# Altium PCB NUCLEOG431RB-Custom-IN-A2212.PcbDoc (part 5 of 5)
Units mm, origin at the board's own origin, x right, y up, seen from the top; angles counter-clockwise.
Board outline 170 x 108 mm, 4 copper layers (Top Layer, POWER1, POWER2, Bottom Layer), stack 1.746 mm thick; 529 components, 254 nets, 1242 pads, 583 vias.
Unrouted connection lines stored in the file: 26.
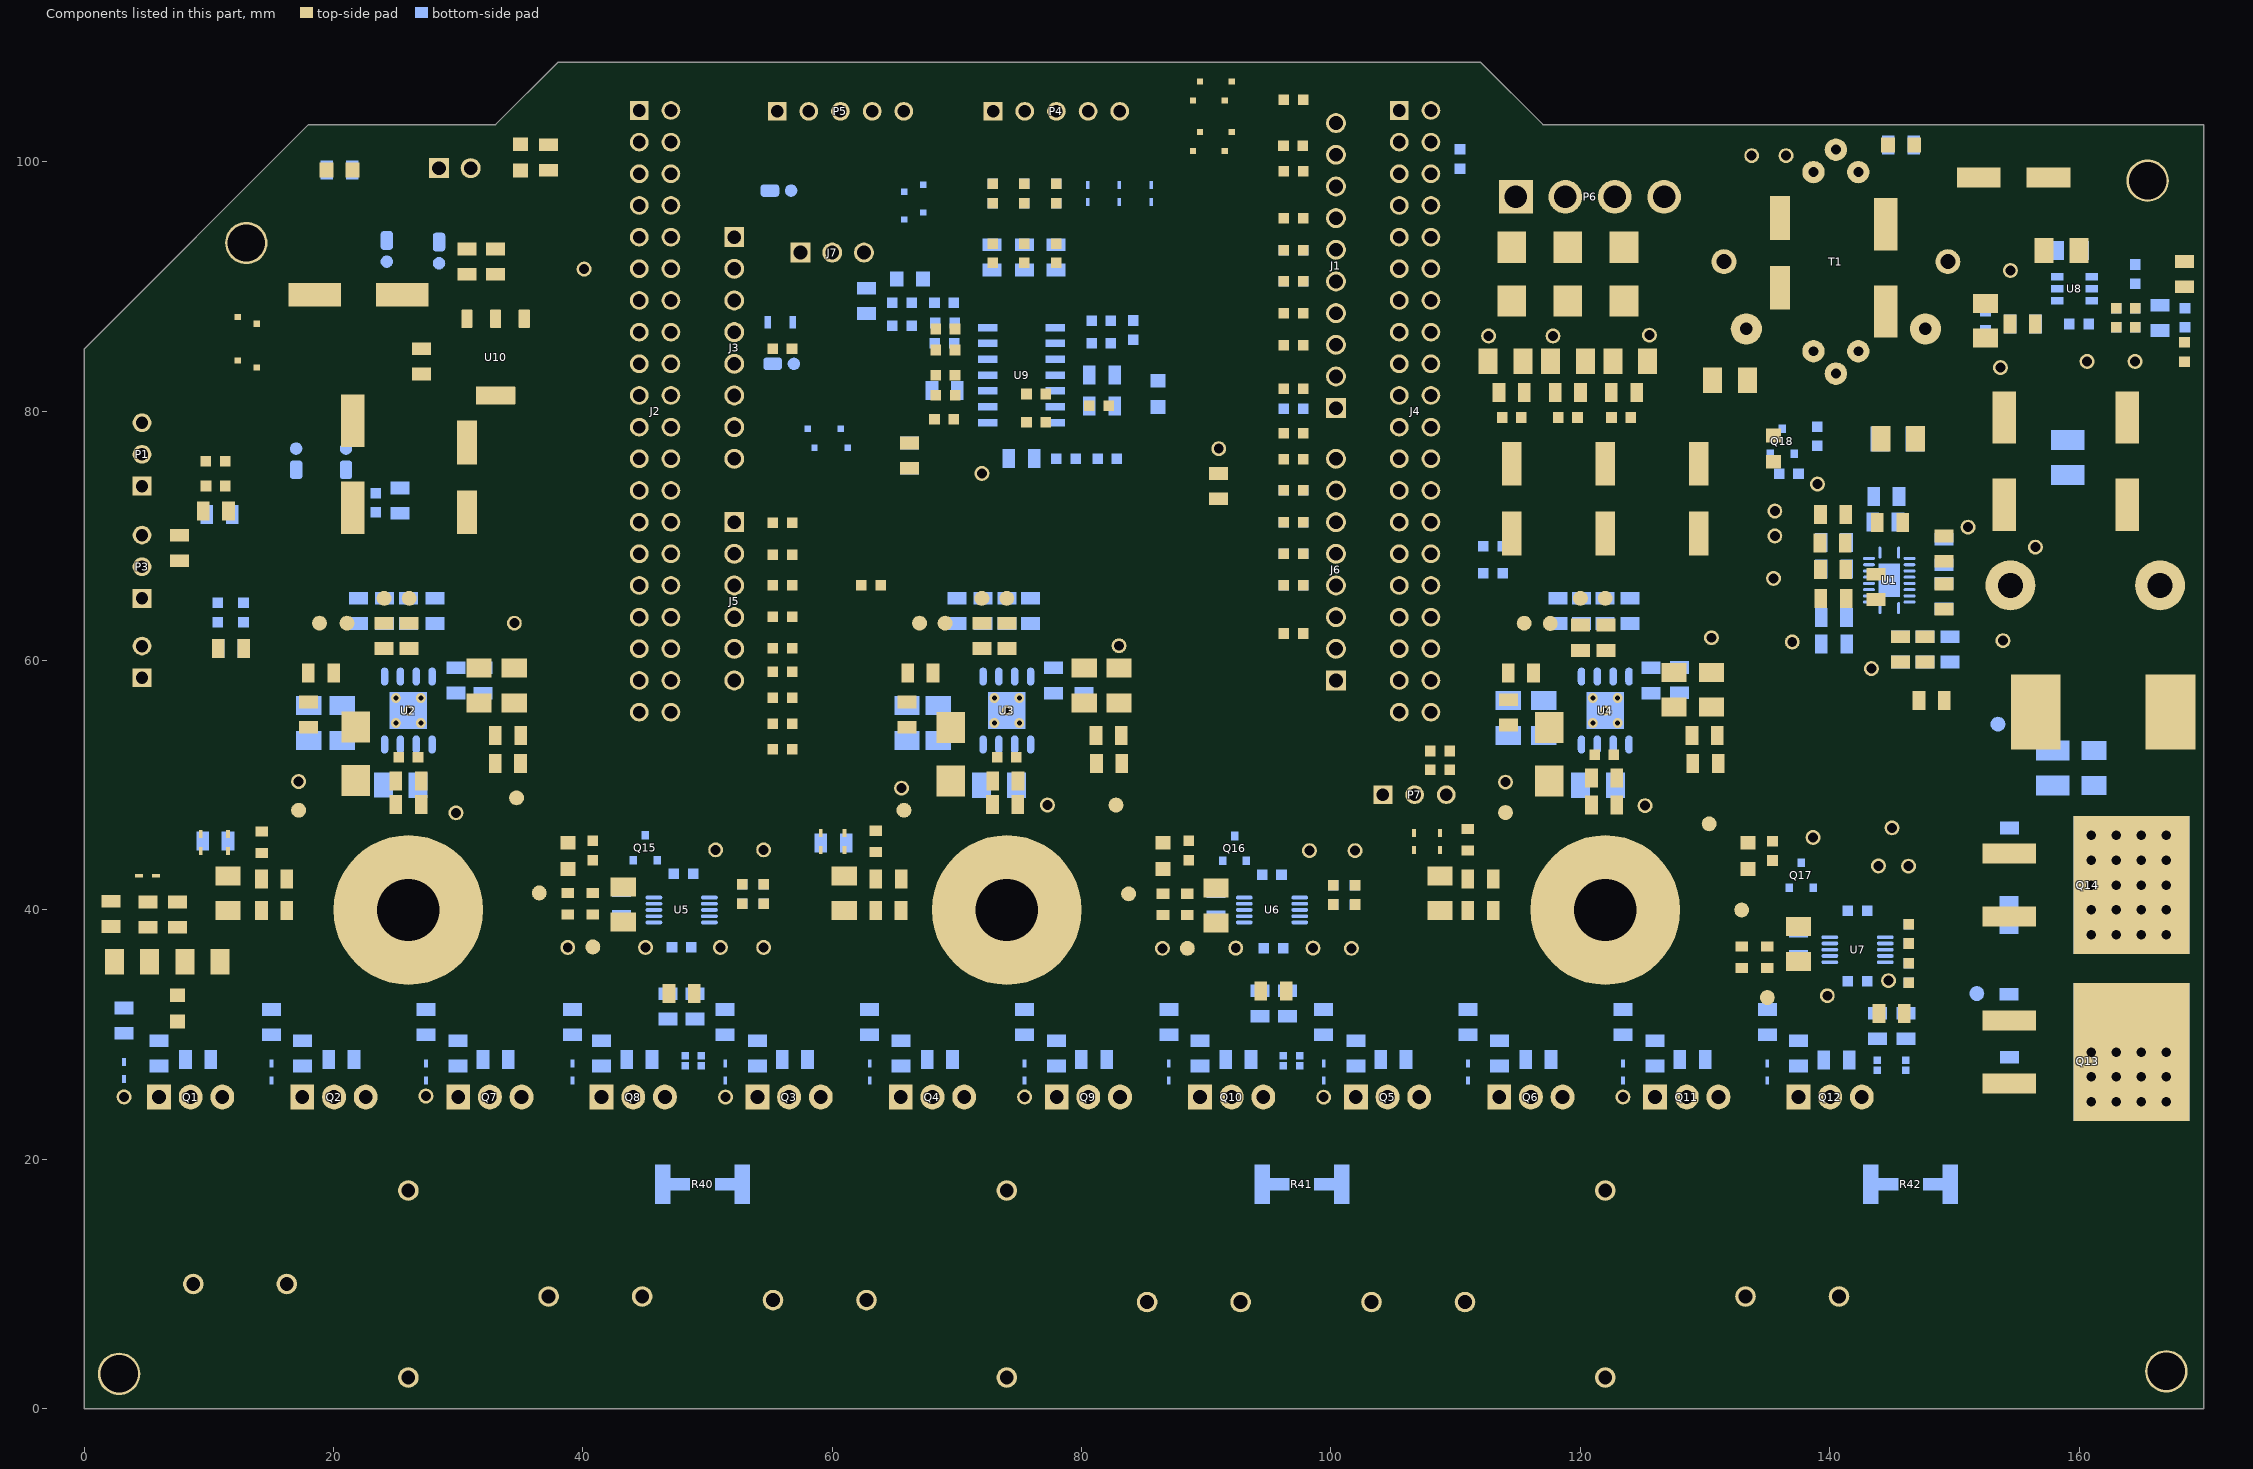
[diagram p7: the components of this part, seen from the top]

## Silkscreen, mask and mechanical layers (free items; w line width, h text height) (continued)
Drill Drawing:
  drawing of 162 lines, arcs and shapes, not listed
  text "Symbol" at -2.774,205.54 h1.83
  text "Count" at 10.075,205.54 h1.83
  text "Hole Size" at 25.311,205.54 h1.83
  text "Plated" at 54.512,205.54 h1.83
  text "Hole Type" at 67.361,205.54 h1.83
  text "Drill Layer Pair" at 86,205.54 h1.83
  text "Via/Pad" at 124.089,205.54 h1.83
  text "Pad Shape" at 139.071,205.54 h1.83
  text "Template" at 158.014,205.54 h1.83
  text "2" at 10.075,201.73 h1.52
  text "16.00mil (0.406mm)" at 25.311,201.73 h1.52
  text "PTH" at 54.512,201.73 h1.52
  text "Round" at 67.361,201.73 h1.52
  text "Top Layer - Bottom Layer" at 86,201.73 h1.52
  text "Via" at 124.089,201.73 h1.52
  text "Rounded" at 139.071,201.73 h1.52
  text "v76h41" at 158.014,201.73 h1.52
  text "2" at 10.075,197.92 h1.52
  text "19.69mil (0.500mm)" at 25.311,197.92 h1.52
  text "PTH" at 54.512,197.92 h1.52
  text "Round" at 67.361,197.92 h1.52
  text "Top Layer - Bottom Layer" at 86,197.92 h1.52
  text "Via" at 124.089,197.92 h1.52
  text "Rounded" at 139.071,197.92 h1.52
  text "v100h50" at 158.014,197.92 h1.52
  text "2" at 10.075,194.11 h1.52
  text "47.24mil (1.200mm)" at 25.311,194.11 h1.52
  text "PTH" at 54.512,194.11 h1.52
  text "Round" at 67.361,194.11 h1.52
  text "Top Layer - Bottom Layer" at 86,194.11 h1.52
  text "Pad" at 124.089,194.11 h1.52
  text "Rounded" at 139.071,194.11 h1.52
  text "c200h120" at 158.014,194.11 h1.52
  text "2" at 10.075,190.3 h1.52
  text "78.74mil (2.000mm)" at 25.311,190.3 h1.52
  text "PTH" at 54.512,190.3 h1.52
  text "Round" at 67.361,190.3 h1.52
  text "Top Layer - Bottom Layer" at 86,190.3 h1.52
  text "Pad" at 124.089,190.3 h1.52
  text "Rounded" at 139.071,190.3 h1.52
  text "(Mixed)" at 158.014,190.3 h1.52
  text "3" at 10.075,186.49 h1.52
  text "196.85mil (5.000mm)" at 25.311,186.49 h1.52
  text "PTH" at 54.512,186.49 h1.52
  text "Round" at 67.361,186.49 h1.52
  text "Top Layer - Bottom Layer" at 86,186.49 h1.52
  text "Pad" at 124.089,186.49 h1.52
  text "Rounded" at 139.071,186.49 h1.52
  text "c1200h500" at 158.014,186.49 h1.52
  text "4" at 10.075,182.68 h1.52
  text "70.87mil (1.800mm)" at 25.311,182.68 h1.52
  text "PTH" at 54.512,182.68 h1.52
  text "Round" at 67.361,182.68 h1.52
  text "Top Layer - Bottom Layer" at 86,182.68 h1.52
  text "Pad" at 124.089,182.68 h1.52
  text "(Mixed)" at 139.071,182.68 h1.52
  text "(Mixed)" at 158.014,182.68 h1.52
  text "4" at 10.075,178.87 h1.52
  text "118.11mil (3.000mm)" at 25.311,178.87 h1.52
  text "PTH" at 54.512,178.87 h1.52
  text "Round" at 67.361,178.87 h1.52
  text "Top Layer - Bottom Layer" at 86,178.87 h1.52
  text "Pad" at 124.089,178.87 h1.52
  text "Rounded" at 139.071,178.87 h1.52
  text "c340h300" at 158.014,178.87 h1.52
  text "23" at 10.075,175.06 h1.52
  text "39.37mil (1.000mm)" at 25.311,175.06 h1.52
  text "PTH" at 54.512,175.06 h1.52
  text "Round" at 67.361,175.06 h1.52
  text "Top Layer - Bottom Layer" at 86,175.06 h1.52
  text "Pad" at 124.089,175.06 h1.52
  text "(Mixed)" at 139.071,175.06 h1.52
  text "(Mixed)" at 158.014,175.06 h1.52
  text "32" at 10.075,171.25 h1.52
  text "30.00mil (0.762mm)" at 25.311,171.25 h1.52
  text "PTH" at 54.512,171.25 h1.52
  text "Round" at 67.361,171.25 h1.52
  text "Top Layer - Bottom Layer" at 86,171.25 h1.52
  text "Pad" at 124.089,171.25 h1.52
  text "Rounded" at 139.071,171.25 h1.52
  text "(Mixed)" at 158.014,171.25 h1.52
  text "60" at 10.075,167.44 h1.52
  text "31.50mil (0.800mm)" at 25.311,167.44 h1.52
  text "PTH" at 54.512,167.44 h1.52
  text "Round" at 67.361,167.44 h1.52
  text "Top Layer - Bottom Layer" at 86,167.44 h1.52
  text "Pad" at 124.089,167.44 h1.52
  text "Rounded" at 139.071,167.44 h1.52
  text "(Mixed)" at 158.014,167.44 h1.52
  text "80" at 10.075,163.63 h1.52
  text "40.16mil (1.020mm)" at 25.311,163.63 h1.52
  text "PTH" at 54.512,163.63 h1.52
  text "Round" at 67.361,163.63 h1.52
  text "Top Layer - Bottom Layer" at 86,163.63 h1.52
  text "Pad" at 124.089,163.63 h1.52
  text "(Mixed)" at 139.071,163.63 h1.52
  text "(Mixed)" at 158.014,163.63 h1.52
  text "91" at 10.075,159.82 h1.52
  text "43.31mil (1.100mm)" at 25.311,159.82 h1.52
  text "PTH" at 54.512,159.82 h1.52
  text "Round" at 67.361,159.82 h1.52
  text "Top Layer - Bottom Layer" at 86,159.82 h1.52
  text "Pad" at 124.089,159.82 h1.52
  text "(Mixed)" at 139.071,159.82 h1.52
  text "(Mixed)" at 158.014,159.82 h1.52
  text "205" at 10.075,156.01 h1.52
  text "15.75mil (0.400mm)" at 25.311,156.01 h1.52
  text "PTH" at 54.512,156.01 h1.52
  text "Round" at 67.361,156.01 h1.52
  text "Top Layer - Bottom Layer" at 86,156.01 h1.52
  text "(Mixed)" at 124.089,156.01 h1.52
  text "Rounded" at 139.071,156.01 h1.52
  text "(Mixed)" at 158.014,156.01 h1.52
  text "389" at 10.075,152.2 h1.52
  text "11.81mil (0.300mm)" at 25.311,152.2 h1.52
  text "PTH" at 54.512,152.2 h1.52
  text "Round" at 67.361,152.2 h1.52
  text "Top Layer - Bottom Layer" at 86,152.2 h1.52
  text "Via" at 124.089,152.2 h1.52
  text "Rounded" at 139.071,152.2 h1.52
  text "v60h30" at 158.014,152.2 h1.52
  text "899 Total" at 10.075,148.39 h1.52
Fab Notes:
  lines w0.254: -25.022,-24.392 -22.482,-21.852 ; -25.022,-24.392 -25.022,272.608 ; -25.022,-24.392 -25.022,-24.392 ; -25.022,-24.392 394.978,-24.392 ; -25.022,272.608 -22.483,270.068 ; -25.022,272.608 394.978,272.608 ; -22.482,-21.852 392.438,-21.852 ; -22.482,-21.852 -22.483,270.068 ; -22.483,270.068 -22.483,270.068 ; -22.483,270.068 392.438,270.068 ; -22.483,270.068 -22.483,270.068 ; 392.438,-21.852 394.978,-24.392 ; 392.438,-21.852 392.438,-21.852 ; 392.438,-21.852 392.438,270.068 ; 392.438,270.068 394.978,272.608 ; 392.438,270.068 392.438,270.068 ; 392.438,270.068 392.438,270.068 ; 394.978,-24.392 394.978,272.608

## Text inside footprints (layer, text, board x,y; h text height)
C7: Bottom Overlay "+" at 132.356,5 h1.5
C8: Bottom Overlay "+" at 104,5 h1.5
C9: Bottom Overlay "+" at 86,5 h1.5
C10: Bottom Overlay "+" at 56,5 h1.5
C11: Bottom Overlay "+" at 37.25,5 h1.5
C12: Bottom Overlay "+" at 9.422,6 h1.5
C27: Top Overlay "+" at 154.5,81 h1.22 r90
C28: Top Overlay "+" at 162,81 h1.22 r90
C43: Top Overlay "+" at 159.6,98.25 h1.22
C44: Top Overlay "+" at 134,87.4 h1.22 r270
C46: Top Overlay "+" at 145.5,85.5 h1.22 r270
C118: Top Overlay "+" at 31.2,79.545 h1.22 r90
C119: Top Overlay "+" at 22.032,81.648 h1.22 r90
C125: Top Overlay "+" at 27.9,88.845 h1.22
C128: Top Overlay "+" at 114,68.15 h1.22 r270
C129: Top Overlay "+" at 121.5,68.15 h1.22 r270
C130: Top Overlay "+" at 129,68.15 h1.22 r270
J1: Top Overlay "1" at 98.7,80.134 h1.02 r90; Top Overlay "10" at 98.545,102.359 h1.02 r90
J2: Top Overlay "39" at 42.415,53.5 h1.02 r270; Top Overlay "40" at 49,56.603 h1.02 r270; Top Overlay "2" at 46.49,106.86 h1.02 r270; Top Overlay "1" at 43.99,106.46 h1.02 r270
J3: Top Overlay "1" at 53.84,94.09 h1.02 r270; Top Overlay "8" at 53.84,76.57 h1.02 r270
J4: Top Overlay "39" at 104.95,53.84 h1.02 r270; Top Overlay "40" at 110,55.75 h1.02 r270; Top Overlay "2" at 107.45,106.86 h1.02 r270; Top Overlay "1" at 105.065,106.65 h1.02 r270
J5: Top Overlay "1" at 49.582,73 h1.02; Top Overlay "6" at 49.129,58.011 h1.02
J6: Top Overlay "1" at 100,56 h1.02 r270; Top Overlay "8" at 103,75 h1.02 r180